# Altium PCB top_INA_v3.PcbDoc (part 5 of 5)
Units mil, origin at the board's own origin, x right, y up, seen from the top; angles counter-clockwise.
Board outline 10160 x 5830 mil, 2 copper layers (Top Layer, Bottom Layer); 635 components, 633 nets, 1722 pads, 292 vias.
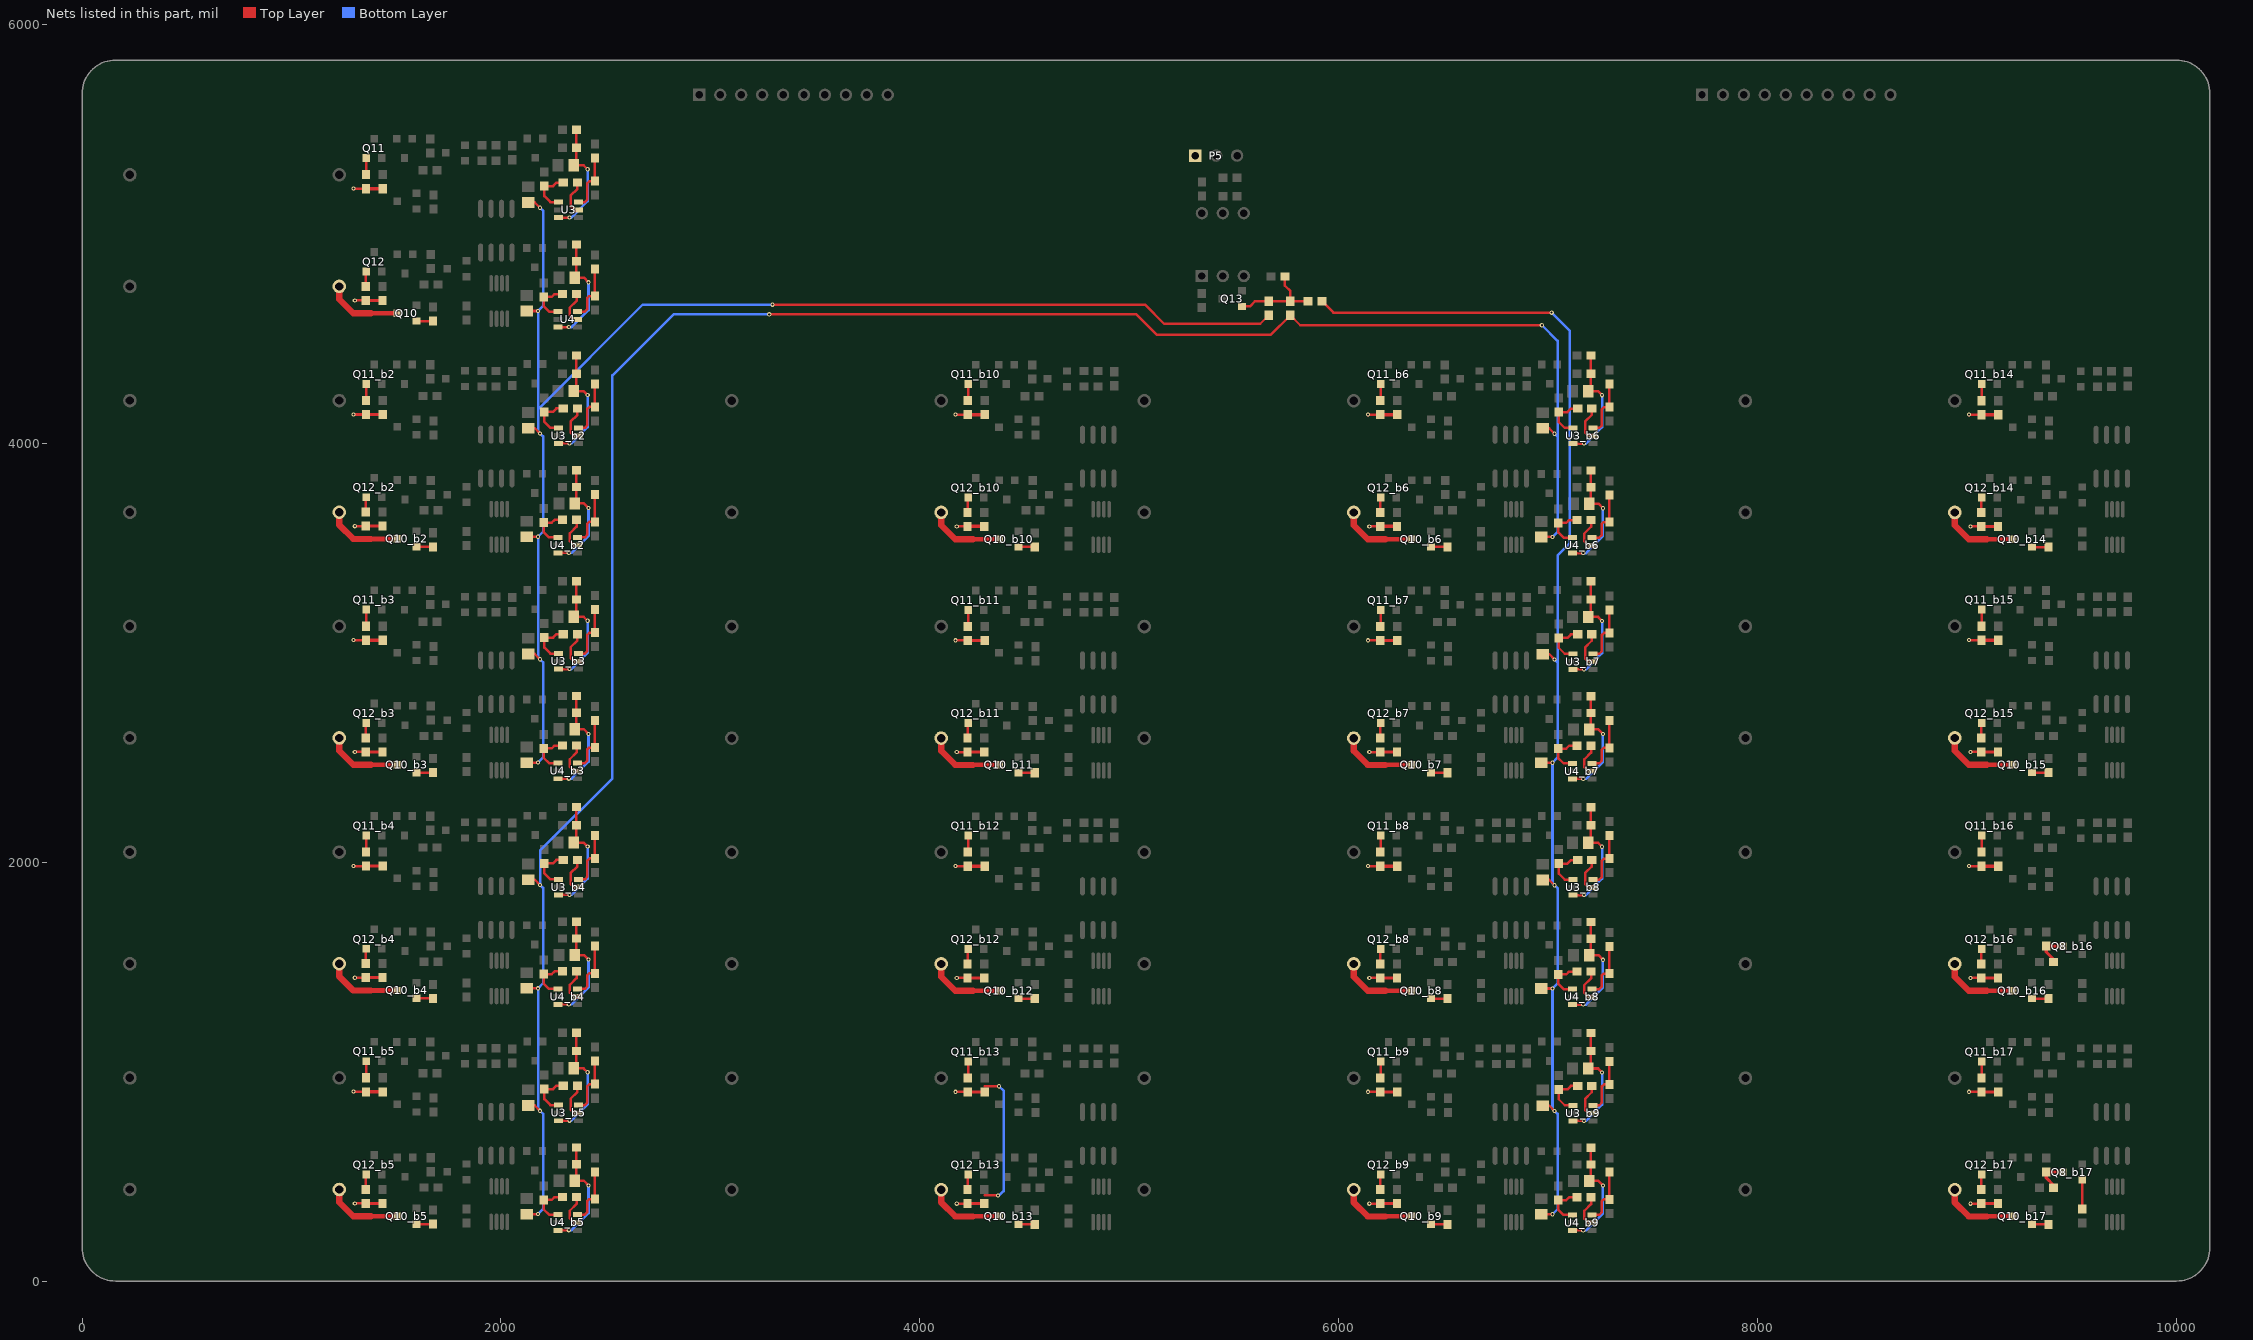
[diagram p5: the nets of this part, all layers, seen from the top]

## Via types
v1: diameter 20, hole 10, Top Layer to Bottom Layer, 235 vias
v2: diameter 40, hole 20, Top Layer to Bottom Layer, 53 vias
v3: diameter 125.98, hole 125.98, Top Layer to Bottom Layer, 4 vias

## Nets (pads, with @x,y where several pads share a name; then routed paths per layer and width w, separated by ;. In a path a pad name is that pad's centre, name@x,y a point inside that pad or via, vN(x,y) a via of type N, cw(c..) or ccw(c..) an arc to the next point about the centre after c; other vN are vias at no path point) (continued)
NetQ8_b16_3: Q8_b16.3 R19_b16.1 R37_b16.1 | length 168.3
  Top Layer w15: R37_b16.1@9413.32,1524.07 9413.32,1536.61 9378.86,1571.07 R19_b16.1@9378.86,1599.14 9379.39,1598.61 Q8_b16.3@9457.6,1598.61
NetQ8_b17_1: Q8_b17.1 R22_b17.2 | length 139.2
  Top Layer w12: R22_b17.2@9549.86,344.07 9550.12,344.33 Q8_b17.1@9550.12,483.21
NetQ8_b17_3: Q8_b17.3 R19_b17.1 R37_b17.1 | length 168.3
  Top Layer w15: R37_b17.1@9413.32,446.07 9413.32,458.61 9378.86,493.07 R19_b17.1@9378.86,521.14 9379.39,520.61 Q8_b17.3@9457.6,520.61
NetQ10_1: Q10.1 R23.1 | length 78.1
  Top Layer w12: Q10.1@1597.12,4584.21 R23.1@1675.18,4584.21
NetQ10_3: Q10.3 R14.1 | length 365.2
  Top Layer w22: 1379.86,4621.61 Q10.3@1504.6,4621.61
  Top Layer w30: R14.1@1227.99,4749.33 1227.99,4688.33 1294.72,4621.61 1379.86,4621.61
NetQ10_b2_1: Q10_b2.1 R23_b2.1 | length 78.1
  Top Layer w12: Q10_b2.1@1597.13,3506.13 R23_b2.1@1675.19,3506.13
NetQ10_b2_3: Q10_b2.3 R14_b2.1 | length 365.2
  Top Layer w22: 1379.87,3543.54 Q10_b2.3@1504.61,3543.54
  Top Layer w30: R14_b2.1@1228,3671.26 1228,3610.26 1294.72,3543.54 1379.87,3543.54
NetQ10_b3_1: Q10_b3.1 R23_b3.1 | length 78.1
  Top Layer w12: Q10_b3.1@1597.13,2428.13 R23_b3.1@1675.19,2428.13
NetQ10_b3_3: Q10_b3.3 R14_b3.1 | length 365.2
  Top Layer w22: 1379.87,2465.54 Q10_b3.3@1504.61,2465.54
  Top Layer w30: R14_b3.1@1228,2593.26 1228,2532.26 1294.72,2465.54 1379.87,2465.54
NetQ10_b4_1: Q10_b4.1 R23_b4.1 | length 78.1
  Top Layer w12: Q10_b4.1@1597.13,1350.13 R23_b4.1@1675.19,1350.13
NetQ10_b4_3: Q10_b4.3 R14_b4.1 | length 365.2
  Top Layer w22: 1379.87,1387.54 Q10_b4.3@1504.61,1387.54
  Top Layer w30: R14_b4.1@1228,1515.26 1228,1454.26 1294.72,1387.54 1379.87,1387.54
NetQ10_b5_1: Q10_b5.1 R23_b5.1 | length 78.1
  Top Layer w12: Q10_b5.1@1597.13,272.13 R23_b5.1@1675.19,272.13
NetQ10_b5_3: Q10_b5.3 R14_b5.1 | length 365.2
  Top Layer w22: 1379.87,309.54 Q10_b5.3@1504.61,309.54
  Top Layer w30: R14_b5.1@1228,437.26 1228,376.26 1294.72,309.54 1379.87,309.54
NetQ10_b6_1: Q10_b6.1 R23_b6.1 | length 78.1
  Top Layer w12: Q10_b6.1@6441.12,3505.21 R23_b6.1@6519.18,3505.21
NetQ10_b6_3: Q10_b6.3 R14_b6.1 | length 365.2
  Top Layer w22: 6223.86,3542.61 Q10_b6.3@6348.6,3542.61
  Top Layer w30: R14_b6.1@6071.99,3670.33 6071.99,3609.33 6138.72,3542.61 6223.86,3542.61
NetQ10_b7_1: Q10_b7.1 R23_b7.1 | length 78.1
  Top Layer w12: Q10_b7.1@6441.12,2427.21 R23_b7.1@6519.18,2427.21
NetQ10_b7_3: Q10_b7.3 R14_b7.1 | length 365.2
  Top Layer w22: 6223.86,2464.61 Q10_b7.3@6348.6,2464.61
  Top Layer w30: R14_b7.1@6071.99,2592.33 6071.99,2531.33 6138.72,2464.61 6223.86,2464.61
NetQ10_b8_1: Q10_b8.1 R23_b8.1 | length 78.1
  Top Layer w12: Q10_b8.1@6441.12,1349.21 R23_b8.1@6519.18,1349.21
NetQ10_b8_3: Q10_b8.3 R14_b8.1 | length 365.2
  Top Layer w22: 6223.86,1386.61 Q10_b8.3@6348.6,1386.61
  Top Layer w30: R14_b8.1@6071.99,1514.33 6071.99,1453.33 6138.72,1386.61 6223.86,1386.61
NetQ10_b9_1: Q10_b9.1 R23_b9.1 | length 78.1
  Top Layer w12: Q10_b9.1@6441.12,271.21 R23_b9.1@6519.18,271.21
NetQ10_b9_3: Q10_b9.3 R14_b9.1 | length 365.2
  Top Layer w22: 6223.86,308.61 Q10_b9.3@6348.6,308.61
  Top Layer w30: R14_b9.1@6071.99,436.33 6071.99,375.33 6138.72,308.61 6223.86,308.61
NetQ10_b10_1: Q10_b10.1 R23_b10.1 | length 78.1
  Top Layer w12: Q10_b10.1@4471.12,3505.21 R23_b10.1@4549.18,3505.21
NetQ10_b10_3: Q10_b10.3 R14_b10.1 | length 365.2
  Top Layer w22: 4253.86,3542.61 Q10_b10.3@4378.6,3542.61
  Top Layer w30: R14_b10.1@4101.99,3670.33 4101.99,3609.33 4168.72,3542.61 4253.86,3542.61
NetQ10_b11_1: Q10_b11.1 R23_b11.1 | length 78.1
  Top Layer w12: Q10_b11.1@4471.12,2427.21 R23_b11.1@4549.18,2427.21
NetQ10_b11_3: Q10_b11.3 R14_b11.1 | length 365.2
  Top Layer w22: 4253.86,2464.61 Q10_b11.3@4378.6,2464.61
  Top Layer w30: R14_b11.1@4101.99,2592.33 4101.99,2531.33 4168.72,2464.61 4253.86,2464.61
NetQ10_b12_1: Q10_b12.1 R23_b12.1 | length 78.1
  Top Layer w12: Q10_b12.1@4471.12,1349.21 R23_b12.1@4549.18,1349.21
NetQ10_b12_3: Q10_b12.3 R14_b12.1 | length 365.2
  Top Layer w22: 4253.86,1386.61 Q10_b12.3@4378.6,1386.61
  Top Layer w30: R14_b12.1@4101.99,1514.33 4101.99,1453.33 4168.72,1386.61 4253.86,1386.61
NetQ10_b13_1: Q10_b13.1 R23_b13.1 | length 78.1
  Top Layer w12: Q10_b13.1@4471.12,271.21 R23_b13.1@4549.18,271.21
NetQ10_b13_3: Q10_b13.3 R14_b13.1 | length 365.2
  Top Layer w22: 4253.86,308.61 Q10_b13.3@4378.6,308.61
  Top Layer w30: R14_b13.1@4101.99,436.33 4101.99,375.33 4168.72,308.61 4253.86,308.61
NetQ10_b14_1: Q10_b14.1 R23_b14.1 | length 78.1
  Top Layer w12: Q10_b14.1@9311.12,3504.95 R23_b14.1@9389.18,3504.95
NetQ10_b14_3: Q10_b14.3 R14_b14.1 | length 365.2
  Top Layer w22: 9093.86,3542.35 Q10_b14.3@9218.6,3542.35
  Top Layer w30: R14_b14.1@8941.99,3670.07 8941.99,3609.07 9008.72,3542.35 9093.86,3542.35
NetQ10_b15_1: Q10_b15.1 R23_b15.1 | length 78.1
  Top Layer w12: Q10_b15.1@9311.12,2428.21 R23_b15.1@9389.18,2428.21
NetQ10_b15_3: Q10_b15.3 R14_b15.1 | length 365.2
  Top Layer w22: 9093.86,2465.61 Q10_b15.3@9218.6,2465.61
  Top Layer w30: R14_b15.1@8941.99,2593.33 8941.99,2532.33 9008.72,2465.61 9093.86,2465.61
NetQ10_b16_1: Q10_b16.1 R23_b16.1 | length 78.1
  Top Layer w12: Q10_b16.1@9311.12,1349.21 R23_b16.1@9389.18,1349.21
NetQ10_b16_3: Q10_b16.3 R14_b16.1 | length 365.2
  Top Layer w22: 9093.86,1386.61 Q10_b16.3@9218.6,1386.61
  Top Layer w30: R14_b16.1@8941.99,1514.33 8941.99,1453.33 9008.72,1386.61 9093.86,1386.61
NetQ10_b17_1: Q10_b17.1 R23_b17.1 | length 78.1
  Top Layer w12: Q10_b17.1@9311.12,271.21 R23_b17.1@9389.18,271.21
NetQ10_b17_3: Q10_b17.3 R14_b17.1 | length 365.2
  Top Layer w22: 9093.86,308.61 Q10_b17.3@9218.6,308.61
  Top Layer w30: R14_b17.1@8941.99,436.33 8941.99,375.33 9008.72,308.61 9093.86,308.61
NetQ11_1: Q11.1 R39.2 | length 79.9
  Top Layer w12: R39.2@1354.99,5282.8 1356.59,5284.4 Q11.1@1356.59,5362.07
NetQ11_b2_1: Q11_b2.1 R39_b2.2 | length 79.9
  Top Layer w12: R39_b2.2@1355,4204.72 1356.6,4206.32 Q11_b2.1@1356.6,4284
NetQ11_b3_1: Q11_b3.1 R39_b3.2 | length 79.9
  Top Layer w12: R39_b3.2@1355,3126.72 1356.6,3128.32 Q11_b3.1@1356.6,3206
NetQ11_b4_1: Q11_b4.1 R39_b4.2 | length 79.9
  Top Layer w12: R39_b4.2@1355,2048.72 1356.6,2050.32 Q11_b4.1@1356.6,2128
NetQ11_b5_1: Q11_b5.1 R39_b5.2 | length 79.9
  Top Layer w12: R39_b5.2@1355,970.72 1356.6,972.32 Q11_b5.1@1356.6,1050
NetQ11_b6_1: Q11_b6.1 R39_b6.2 | length 79.9
  Top Layer w12: R39_b6.2@6198.99,4203.8 6200.59,4205.4 Q11_b6.1@6200.59,4283.07
NetQ11_b7_1: Q11_b7.1 R39_b7.2 | length 79.9
  Top Layer w12: R39_b7.2@6198.99,3125.8 6200.59,3127.4 Q11_b7.1@6200.59,3205.07
NetQ11_b8_1: Q11_b8.1 R39_b8.2 | length 79.9
  Top Layer w12: R39_b8.2@6198.99,2047.8 6200.59,2049.4 Q11_b8.1@6200.59,2127.07
NetQ11_b9_1: Q11_b9.1 R39_b9.2 | length 79.9
  Top Layer w12: R39_b9.2@6198.99,969.8 6200.59,971.4 Q11_b9.1@6200.59,1049.07
NetQ11_b10_1: Q11_b10.1 R39_b10.2 | length 79.9
  Top Layer w12: R39_b10.2@4228.99,4203.8 4230.59,4205.4 Q11_b10.1@4230.59,4283.07
NetQ11_b11_1: Q11_b11.1 R39_b11.2 | length 79.9
  Top Layer w12: R39_b11.2@4228.99,3125.8 4230.59,3127.4 Q11_b11.1@4230.59,3205.07
NetQ11_b12_1: Q11_b12.1 R39_b12.2 | length 79.9
  Top Layer w12: R39_b12.2@4228.99,2047.8 4230.59,2049.4 Q11_b12.1@4230.59,2127.07
NetQ11_b13_1: Q11_b13.1 R39_b13.2 | length 79.9
  Top Layer w12: R39_b13.2@4228.99,969.8 4230.59,971.4 Q11_b13.1@4230.59,1049.07
NetQ11_b14_1: Q11_b14.1 R39_b14.2 | length 79.9
  Top Layer w12: R39_b14.2@9068.99,4203.54 9070.59,4205.14 Q11_b14.1@9070.59,4282.81
NetQ11_b15_1: Q11_b15.1 R39_b15.2 | length 79.9
  Top Layer w12: R39_b15.2@9068.99,3126.8 9070.59,3128.4 Q11_b15.1@9070.59,3206.07
NetQ11_b16_1: Q11_b16.1 R39_b16.2 | length 79.9
  Top Layer w12: R39_b16.2@9068.99,2047.8 9070.59,2049.4 Q11_b16.1@9070.59,2127.07
NetQ11_b17_1: Q11_b17.1 R39_b17.2 | length 79.9
  Top Layer w12: R39_b17.2@9068.99,969.8 9070.59,971.4 Q11_b17.1@9070.59,1049.07
NetQ12_1: Q12.1 R41.1 | length 72.4
  Top Layer w12: R41.1@1353.99,4749.8 1353.99,4818.48 Q12.1@1356.59,4821.07
NetQ12_b2_1: Q12_b2.1 R41_b2.1 | length 72.4
  Top Layer w12: R41_b2.1@1354,3671.72 1354,3740.4 Q12_b2.1@1356.6,3743
NetQ12_b3_1: Q12_b3.1 R41_b3.1 | length 72.4
  Top Layer w12: R41_b3.1@1354,2593.72 1354,2662.4 Q12_b3.1@1356.6,2665
NetQ12_b4_1: Q12_b4.1 R41_b4.1 | length 72.4
  Top Layer w12: R41_b4.1@1354,1515.72 1354,1584.4 Q12_b4.1@1356.6,1587
NetQ12_b5_1: Q12_b5.1 R41_b5.1 | length 72.4
  Top Layer w12: R41_b5.1@1354,437.72 1354,506.4 Q12_b5.1@1356.6,509
NetQ12_b6_1: Q12_b6.1 R41_b6.1 | length 72.4
  Top Layer w12: R41_b6.1@6197.99,3670.8 6197.99,3739.48 Q12_b6.1@6200.59,3742.07
NetQ12_b7_1: Q12_b7.1 R41_b7.1 | length 72.4
  Top Layer w12: R41_b7.1@6197.99,2592.8 6197.99,2661.48 Q12_b7.1@6200.59,2664.07
NetQ12_b8_1: Q12_b8.1 R41_b8.1 | length 72.4
  Top Layer w12: R41_b8.1@6197.99,1514.8 6197.99,1583.48 Q12_b8.1@6200.59,1586.07
NetQ12_b9_1: Q12_b9.1 R41_b9.1 | length 72.4
  Top Layer w12: R41_b9.1@6197.99,436.8 6197.99,505.48 Q12_b9.1@6200.59,508.07
NetQ12_b10_1: Q12_b10.1 R41_b10.1 | length 72.4
  Top Layer w12: R41_b10.1@4227.99,3670.8 4227.99,3739.48 Q12_b10.1@4230.59,3742.07
NetQ12_b11_1: Q12_b11.1 R41_b11.1 | length 72.4
  Top Layer w12: R41_b11.1@4227.99,2592.8 4227.99,2661.48 Q12_b11.1@4230.59,2664.07
NetQ12_b12_1: Q12_b12.1 R41_b12.1 | length 72.4
  Top Layer w12: R41_b12.1@4227.99,1514.8 4227.99,1583.48 Q12_b12.1@4230.59,1586.07
NetQ12_b13_1: Q12_b13.1 R41_b13.1 | length 72.4
  Top Layer w12: R41_b13.1@4227.99,436.8 4227.99,505.48 Q12_b13.1@4230.59,508.07
NetQ12_b14_1: Q12_b14.1 R41_b14.1 | length 72.4
  Top Layer w12: R41_b14.1@9067.99,3670.54 9067.99,3739.22 Q12_b14.1@9070.59,3741.81
NetQ12_b15_1: Q12_b15.1 R41_b15.1 | length 72.4
  Top Layer w12: R41_b15.1@9067.99,2593.8 9067.99,2662.48 Q12_b15.1@9070.59,2665.07
NetQ12_b16_1: Q12_b16.1 R41_b16.1 | length 72.4
  Top Layer w12: R41_b16.1@9067.99,1514.8 9067.99,1583.48 Q12_b16.1@9070.59,1586.07
NetQ12_b17_1: Q12_b17.1 R41_b17.1 | length 72.4
  Top Layer w12: R41_b17.1@9067.99,436.8 9067.99,505.48 Q12_b17.1@9070.59,508.07
NetQ13_1: Q13.1 R28.2 R29.2 R30.2 R31.2 | length 453.2
  Top Layer w12: Q13.1@5538.25,4653.67 5575.59,4653.67 5600.46,4678.54 R29.2@5665.99,4678.54 R30.2@5768.99,4678.54 ; R28.2@5743.46,4797.07 5743.46,4752.61 5768.99,4727.07 R30.2@5768.99,4678.54 ; R31.2@5852.07,4678.54 R30.2@5768.99,4678.54
NetR51_2: R51.2 R52.1 U3.1 | length 225.5
  Top Layer w12: U3.1@2275.76,5152.4 2235.6,5152.4 2207,5181 R52.1@2207,5228.54 2248.54,5228.54 2265,5245 R51.2@2297.54,5245
NetR51_b2_2: R51_b2.2 R52_b2.1 U3_b2.1 | length 225.5
  Top Layer w12: U3_b2.1@2275.76,4074.33 2235.61,4074.33 2207.01,4102.93 R52_b2.1@2207.01,4150.46 2248.54,4150.46 2265.01,4166.93 R51_b2.2@2297.54,4166.93
NetR51_b3_2: R51_b3.2 R52_b3.1 U3_b3.1 | length 225.5
  Top Layer w12: U3_b3.1@2275.76,2996.33 2235.61,2996.33 2207.01,3024.93 R52_b3.1@2207.01,3072.46 2248.54,3072.46 2265.01,3088.93 R51_b3.2@2297.54,3088.93
NetR51_b4_2: R51_b4.2 R52_b4.1 U3_b4.1 | length 225.5
  Top Layer w12: U3_b4.1@2275.76,1918.33 2235.61,1918.33 2207.01,1946.93 R52_b4.1@2207.01,1994.46 2248.54,1994.46 2265.01,2010.93 R51_b4.2@2297.54,2010.93
NetR51_b5_2: R51_b5.2 R52_b5.1 U3_b5.1 | length 225.5
  Top Layer w12: U3_b5.1@2275.76,840.33 2235.61,840.33 2207.01,868.93 R52_b5.1@2207.01,916.46 2248.54,916.46 2265.01,932.93 R51_b5.2@2297.54,932.93
NetR51_b6_2: R51_b6.2 R52_b6.1 U3_b6.1 | length 225.5
  Top Layer w12: U3_b6.1@7119.76,4073.4 7079.6,4073.4 7051,4102 R52_b6.1@7051,4149.54 7092.54,4149.54 7109,4166 R51_b6.2@7141.54,4166
NetR51_b7_2: R51_b7.2 R52_b7.1 U3_b7.1 | length 225.5
  Top Layer w12: U3_b7.1@7119.76,2995.4 7079.6,2995.4 7051,3024 R52_b7.1@7051,3071.54 7092.54,3071.54 7109,3088 R51_b7.2@7141.54,3088
NetR51_b8_2: R51_b8.2 R52_b8.1 U3_b8.1 | length 225.5
  Top Layer w12: U3_b8.1@7119.76,1917.4 7079.6,1917.4 7051,1946 R52_b8.1@7051,1993.54 7092.54,1993.54 7109,2010 R51_b8.2@7141.54,2010
NetR51_b9_2: R51_b9.2 R52_b9.1 U3_b9.1 | length 225.5
  Top Layer w12: U3_b9.1@7119.76,839.4 7079.6,839.4 7051,868 R52_b9.1@7051,915.54 7092.54,915.54 7109,932 R51_b9.2@7141.54,932
NetR51_b10_2: 
NetR51_b11_2: 
NetR51_b12_2: 
NetR51_b13_2: 
NetR51_b14_2: 
NetR51_b15_2: 
NetR51_b16_2: 
NetR51_b17_2: 
NetR53_1: R53.1 R54.1 U4.1 | length 219
  Top Layer w12: U4.1@2271.76,4629.4 2229.6,4629.4 2204,4655 R54.1@2204,4699.54 2242.54,4699.54 2256,4713 R53.1@2294.54,4713
NetR53_b2_1: R53_b2.1 R54_b2.1 U4_b2.1 | length 219
  Top Layer w12: U4_b2.1@2271.76,3551.33 2229.61,3551.33 2204.01,3576.93 R54_b2.1@2204.01,3621.46 2242.54,3621.46 2256.01,3634.93 R53_b2.1@2294.54,3634.93
NetR53_b3_1: R53_b3.1 R54_b3.1 U4_b3.1 | length 219
  Top Layer w12: U4_b3.1@2271.76,2473.33 2229.61,2473.33 2204.01,2498.93 R54_b3.1@2204.01,2543.46 2242.54,2543.46 2256.01,2556.93 R53_b3.1@2294.54,2556.93
NetR53_b4_1: R53_b4.1 R54_b4.1 U4_b4.1 | length 219
  Top Layer w12: U4_b4.1@2271.76,1395.33 2229.61,1395.33 2204.01,1420.93 R54_b4.1@2204.01,1465.46 2242.54,1465.46 2256.01,1478.93 R53_b4.1@2294.54,1478.93
NetR53_b5_1: R53_b5.1 R54_b5.1 U4_b5.1 | length 219
  Top Layer w12: U4_b5.1@2271.76,317.33 2229.61,317.33 2204.01,342.93 R54_b5.1@2204.01,387.46 2242.54,387.46 2256.01,400.93 R53_b5.1@2294.54,400.93
NetR53_b6_1: R53_b6.1 R54_b6.1 U4_b6.1 | length 219
  Top Layer w12: U4_b6.1@7115.76,3550.4 7073.6,3550.4 7048,3576 R54_b6.1@7048,3620.54 7086.54,3620.54 7100,3634 R53_b6.1@7138.54,3634
NetR53_b7_1: R53_b7.1 R54_b7.1 U4_b7.1 | length 219
  Top Layer w12: U4_b7.1@7115.76,2472.4 7073.6,2472.4 7048,2498 R54_b7.1@7048,2542.54 7086.54,2542.54 7100,2556 R53_b7.1@7138.54,2556
NetR53_b8_1: R53_b8.1 R54_b8.1 U4_b8.1 | length 219
  Top Layer w12: U4_b8.1@7115.76,1394.4 7073.6,1394.4 7048,1420 R54_b8.1@7048,1464.54 7086.54,1464.54 7100,1478 R53_b8.1@7138.54,1478
NetR53_b9_1: R53_b9.1 R54_b9.1 U4_b9.1 | length 219
  Top Layer w12: U4_b9.1@7115.76,316.4 7073.6,316.4 7048,342 R54_b9.1@7048,386.54 7086.54,386.54 7100,400 R53_b9.1@7138.54,400
NetR53_b10_1: 
NetR53_b11_1: 
NetR53_b12_1: 
NetR53_b13_1: 
NetR53_b14_1: 
NetR53_b15_1: 
NetR53_b16_1: 
NetR53_b17_1: 
OUT2: D1.2 D1_b2.2 D1_b3.2 D2.2 D2_b2.2 D2_b3.2 R29.1 | length 6814.5
  Top Layer w12: D2_b3.2@2124.41,2475.93 v1(2177.01,2475.93) ; D2_b2.2@2124.41,3553.93 v1(2177.01,3553.93) ; D2.2@2124.4,4632 v1(2177,4632) ; D1_b3.2@2131.01,2994.52 2161.41,2994.52 v1(2187.01,2968.93) ; D1_b2.2@2131.01,4072.52 2161.41,4072.52 v1(2187.01,4046.93) ; D1.2@2131,5150.6 2161.4,5150.6 v1(2187,5125) ; v1(3295.99,4662.07) 5074.99,4662.07 5165.99,4571.07 5625.46,4571.07 R29.1@5665.99,4611.61
  Bottom Layer w12: v1(2177.01,2475.93) 2201.01,2499.93 2201.01,2954.93 v1(2187.01,2968.93) 2177.01,2978.93 v1(2177.01,3553.93) 2201.01,3577.93 2201.01,4032.93 v1(2187.01,4046.93) 2177,4056.93 2177,4164 ; v1(2187,5125) 2201,5111 2201,4656 v1(2177,4632) 2177,4164 ; v1@3294.18,4660.27 v1(3295.99,4662.07) 2677.07,4662.07 2179,4164 2177,4164
OUT5: D1_b4.2 D1_b5.2 D1_b6.2 D2_b4.2 D2_b5.2 D2_b6.2 R30.1 | length 10269.3
  Top Layer w12: D2_b5.2@2124.41,319.93 v1(2177.01,319.93) ; D2_b4.2@2124.41,1397.93 v1(2177.01,1397.93) ; D1_b5.2@2131.01,838.52 2161.41,838.52 v1(2187.01,812.93) ; D1_b4.2@2131.01,1916.52 2161.41,1916.52 v1(2187.01,1890.93) ; v1(3280.99,4616.07) 5033.99,4616.07 5130.99,4519.07 5676.46,4519.07 R30.1@5768.99,4611.61 5816.6,4564 v1(6970,4564) ; D2_b6.2@6968.4,3553 v1(7021,3553) ; D1_b6.2@6975,4071.6 7005.4,4071.6 v1(7031,4046)
  Bottom Layer w12: v1(2177.01,319.93) 2201.01,343.93 2201.01,798.93 v1(2187.01,812.93) 2177.01,822.93 v1(2177.01,1397.93) 2201.01,1421.93 2201.01,1876.93 v1(2187.01,1890.93) 2187.01,2055.01 2532,2400 2532,4324.07 2824,4616.07 v1(3280.99,4616.07) ; v1(6970,4564) 7045,4489 7045,4032 ; v1(7021,3553) 7045,3577 7045,4032 ; v1(7031,4046) 7045,4032
OUT8: D1_b7.2 D1_b8.2 D1_b9.2 D2_b7.2 D2_b8.2 D2_b9.2 R31.1 | length 5912.1
  Top Layer w12: R31.1@5919.46,4679 5974.46,4624 v1(7017,4624) ; D2_b9.2@6968.4,319 v1(7021,319) ; D2_b8.2@6968.4,1397 v1(7021,1397) ; D2_b7.2@6968.4,2475 v1(7021,2475) ; D1_b9.2@6975,837.6 7005.4,837.6 v1(7031,812) ; D1_b8.2@6975,1915.6 7005.4,1915.6 v1(7031,1890) ; D1_b7.2@6975,2993.6 7005.4,2993.6 v1(7031,2968)
  Bottom Layer w12: v1(7017,4624) 7103,4538 7103,3522 7045,3464 7045,2954 ; v1(7021,319) 7045,343 7045,798 v1(7031,812) 7021,822 v1(7021,1397) 7045,1421 7045,1876 v1(7031,1890) 7021,1900 v1(7021,2475) 7045,2499 7045,2954 ; v1(7031,2968) 7045,2954
OUT9: 
OUT10: 
OUT11: 
OUT12: 
OUT13: 
OUT14:  | length 675.9
  Top Layer w12: 4309.86,409.21 v1(4373.46,409.21) ; 4309.86,930.21 v1(4378.46,930.21)
  Bottom Layer w12: v1(4373.46,409.21) 4378.74,409.21 4399.61,430.07 4399.61,909.06 v1(4378.46,930.21)
OUT15: 
OUT16: 
OUT_G16: P5.1 R39.1 R39_b2.1 R39_b3.1 R39_b4.1 R39_b5.1 R39_b6.1 R39_b7.1 R39_b8.1 R39_b9.1 R39_b10.1 R39_b11.1 R39_b12.1 R39_b13.1 R39_b14.1 R39_b15.1 R39_b16.1 R39_b17.1 R40.2 R40_b2.2 R40_b3.2 R40_b4.2 R40_b5.2 R40_b6.2 R40_b7.2 R40_b8.2 R40_b9.2 R40_b10.2 R40_b11.2 R40_b12.2 R40_b13.2 R40_b14.2 R40_b15.2 R40_b16.2 R40_b17.2 R41.2 R41_b2.2 R41_b3.2 R41_b4.2 R41_b5.2 R41_b6.2 R41_b7.2 R41_b8.2 R41_b9.2 R41_b10.2 R41_b11.2 R41_b12.2 R41_b13.2 R41_b14.2 R41_b15.2 R41_b16.2 R41_b17.2 R42.2 R42_b2.2 R42_b3.2 R42_b4.2 R42_b5.2 R42_b6.2 R42_b7.2 R42_b8.2 R42_b9.2 R42_b10.2 R42_b11.2 R42_b12.2 R42_b13.2 R42_b14.2 R42_b15.2 R42_b16.2 R42_b17.2 | length 4622.5
  Top Layer w12: v1@1296.99,903.8 R39_b5.1@1355,903.8 ; v1@1296.99,1981.8 R39_b4.1@1355,1981.8 ; v1@1296.99,3059.8 R39_b3.1@1355,3059.8 ; v1@1296.99,4137.8 R39_b2.1@1355,4137.8 ; v1@1296.98,5215.87 R39.1@1354.99,5215.87 ; v1(1302.25,370.54) R41_b5.2@1353.74,370.54 ; v1(1302.25,1448.54) R41_b4.2@1353.74,1448.54 ; v1(1302.25,2526.54) R41_b3.2@1353.74,2526.54 ; v1(1302.25,3604.54) R41_b2.2@1353.74,3604.54 ; v1(1302.24,4682.61) R41.2@1353.73,4682.61 ; v1@4170.98,902.87 R39_b13.1@4228.99,902.87 ; v1@4170.98,1980.87 R39_b12.1@4228.99,1980.87 ; v1@4170.98,3058.87 R39_b11.1@4228.99,3058.87 ; v1@4170.98,4136.87 R39_b10.1@4228.99,4136.87 ; v1(4176.24,369.61) R41_b13.2@4227.73,369.61 ; v1(4176.24,1447.61) R41_b12.2@4227.73,1447.61 ; v1(4176.24,2525.61) R41_b11.2@4227.73,2525.61 ; v1(4176.24,3603.61) R41_b10.2@4227.73,3603.61 ; v1@6140.98,902.87 R39_b9.1@6198.99,902.87 ; v1@6140.98,1980.87 R39_b8.1@6198.99,1980.87 ; v1@6140.98,3058.87 R39_b7.1@6198.99,3058.87 ; v1@6140.98,4136.87 R39_b6.1@6198.99,4136.87 ; v1(6146.24,369.61) R41_b9.2@6197.73,369.61 ; v1(6146.24,1447.61) R41_b8.2@6197.73,1447.61 ; v1(6146.24,2525.61) R41_b7.2@6197.73,2525.61 ; v1(6146.24,3603.61) R41_b6.2@6197.73,3603.61 ; v1@9010.98,902.87 R39_b17.1@9068.99,902.87 ; v1@9010.98,1980.87 R39_b16.1@9068.99,1980.87 ; v1@9010.98,3059.87 R39_b15.1@9068.99,3059.87 ; v1@9010.98,4136.61 R39_b14.1@9068.99,4136.61 ; v1(9016.24,369.61) R41_b17.2@9067.73,369.61 ; v1(9016.24,1447.61) R41_b16.2@9067.73,1447.61 ; v1(9016.24,2526.61) R41_b15.2@9067.73,2526.61 ; v1(9016.24,3603.35) R41_b14.2@9067.73,3603.35
  Top Layer w15: v1(1296.25,904.54) v1@1296.99,903.8 ; v1(1296.25,1982.54) v1@1296.99,1981.8 ; v1(1296.25,3060.54) v1@1296.99,3059.8 ; v1(1296.25,4138.54) v1@1296.99,4137.8 ; v1(1296.24,5216.61) v1@1296.98,5215.87 ; R41_b5.2@1353.74,370.54 R41_b5.2@1354,370.8 R42_b5.2@1434,370.8 ; R41_b4.2@1353.74,1448.54 R41_b4.2@1354,1448.8 R42_b4.2@1434,1448.8 ; R41_b3.2@1353.74,2526.54 R41_b3.2@1354,2526.8 R42_b3.2@1434,2526.8 ; R41_b2.2@1353.74,3604.54 R41_b2.2@1354,3604.8 R42_b2.2@1434,3604.8 ; R41.2@1353.73,4682.61 R41.2@1353.99,4682.87 R42.2@1433.99,4682.87 ; R39_b5.1@1355,903.8 R40_b5.2@1436,903.8 ; R39_b4.1@1355,1981.8 R40_b4.2@1436,1981.8 ; R39_b3.1@1355,3059.8 R40_b3.2@1436,3059.8 ; R39_b2.1@1355,4137.8 R40_b2.2@1436,4137.8 ; R39.1@1354.99,5215.87 R40.2@1435.99,5215.87 ; v1(4170.24,903.61) v1@4170.98,902.87 ; v1(4170.24,1981.61) v1@4170.98,1980.87 ; v1(4170.24,3059.61) v1@4170.98,3058.87 ; v1(4170.24,4137.61) v1@4170.98,4136.87 ; R41_b13.2@4227.73,369.61 R41_b13.2@4227.99,369.87 R42_b13.2@4307.99,369.87 ; R41_b12.2@4227.73,1447.61 R41_b12.2@4227.99,1447.87 R42_b12.2@4307.99,1447.87 ; R41_b11.2@4227.73,2525.61 R41_b11.2@4227.99,2525.87 R42_b11.2@4307.99,2525.87 ; R41_b10.2@4227.73,3603.61 R41_b10.2@4227.99,3603.87 R42_b10.2@4307.99,3603.87 ; R39_b13.1@4228.99,902.87 R40_b13.2@4309.99,902.87 ; R39_b12.1@4228.99,1980.87 R40_b12.2@4309.99,1980.87 ; R39_b11.1@4228.99,3058.87 R40_b11.2@4309.99,3058.87 ; R39_b10.1@4228.99,4136.87 R40_b10.2@4309.99,4136.87 ; v1(6140.24,903.61) v1@6140.98,902.87 ; v1(6140.24,1981.61) v1@6140.98,1980.87 ; v1(6140.24,3059.61) v1@6140.98,3058.87 ; v1(6140.24,4137.61) v1@6140.98,4136.87 ; R41_b9.2@6197.73,369.61 R41_b9.2@6197.99,369.87 R42_b9.2@6277.99,369.87 ; R41_b8.2@6197.73,1447.61 R41_b8.2@6197.99,1447.87 R42_b8.2@6277.99,1447.87 ; R41_b7.2@6197.73,2525.61 R41_b7.2@6197.99,2525.87 R42_b7.2@6277.99,2525.87 ; R41_b6.2@6197.73,3603.61 R41_b6.2@6197.99,3603.87 R42_b6.2@6277.99,3603.87 ; R39_b9.1@6198.99,902.87 R40_b9.2@6279.99,902.87 ; R39_b8.1@6198.99,1980.87 R40_b8.2@6279.99,1980.87 ; R39_b7.1@6198.99,3058.87 R40_b7.2@6279.99,3058.87 ; R39_b6.1@6198.99,4136.87 R40_b6.2@6279.99,4136.87 ; v1(9010.24,903.61) v1@9010.98,902.87 ; v1(9010.24,1981.61) v1@9010.98,1980.87 ; v1(9010.24,3060.61) v1@9010.98,3059.87 ; v1(9010.24,4137.35) v1@9010.98,4136.61 ; R41_b17.2@9067.73,369.61 R41_b17.2@9067.99,369.87 R42_b17.2@9147.99,369.87 ; R41_b16.2@9067.73,1447.61 R41_b16.2@9067.99,1447.87 R42_b16.2@9147.99,1447.87 ; R41_b15.2@9067.73,2526.61 R41_b15.2@9067.99,2526.87 R42_b15.2@9147.99,2526.87 ; R41_b14.2@9067.73,3603.35 R41_b14.2@9067.99,3603.61 R42_b14.2@9147.99,3603.61 ; R39_b17.1@9068.99,902.87 R40_b17.2@9149.99,902.87 ; R39_b16.1@9068.99,1980.87 R40_b16.2@9149.99,1980.87 ; R39_b15.1@9068.99,3059.87 R40_b15.2@9149.99,3059.87 ; R39_b14.1@9068.99,4136.61 R40_b14.2@9149.99,4136.61
REF1: R51.1 U3.5 | length 171.7
  Top Layer w12: R51.1@2364.46,5245 2364.46,5214.46 2332.59,5182.59 2332.59,5130.59 2348.18,5115 U3.5@2370.24,5115
REF1_b2: R51_b2.1 U3_b2.5 | length 171.7
  Top Layer w12: R51_b2.1@2364.47,4166.93 2364.47,4136.39 2332.6,4104.52 2332.6,4052.52 2348.19,4036.93 U3_b2.5@2370.25,4036.93
REF1_b3: R51_b3.1 U3_b3.5 | length 171.7
  Top Layer w12: R51_b3.1@2364.47,3088.93 2364.47,3058.39 2332.6,3026.52 2332.6,2974.52 2348.19,2958.93 U3_b3.5@2370.25,2958.93
REF1_b4: R51_b4.1 U3_b4.5 | length 171.7
  Top Layer w12: R51_b4.1@2364.47,2010.93 2364.47,1980.39 2332.6,1948.52 2332.6,1896.52 2348.19,1880.93 U3_b4.5@2370.25,1880.93
REF1_b5: R51_b5.1 U3_b5.5 | length 171.7
  Top Layer w12: R51_b5.1@2364.47,932.93 2364.47,902.39 2332.6,870.52 2332.6,818.52 2348.19,802.93 U3_b5.5@2370.25,802.93
REF1_b6: R51_b6.1 U3_b6.5 | length 171.7
  Top Layer w12: R51_b6.1@7208.46,4166 7208.46,4135.46 7176.59,4103.59 7176.59,4051.59 7192.18,4036 U3_b6.5@7214.24,4036
REF1_b7: R51_b7.1 U3_b7.5 | length 171.7
  Top Layer w12: R51_b7.1@7208.46,3088 7208.46,3057.46 7176.59,3025.59 7176.59,2973.59 7192.18,2958 U3_b7.5@7214.24,2958
REF1_b8: R51_b8.1 U3_b8.5 | length 171.7
  Top Layer w12: R51_b8.1@7208.46,2010 7208.46,1979.46 7176.59,1947.59 7176.59,1895.59 7192.18,1880 U3_b8.5@7214.24,1880
REF1_b9: R51_b9.1 U3_b9.5 | length 171.7
  Top Layer w12: R51_b9.1@7208.46,932 7208.46,901.46 7176.59,869.59 7176.59,817.59 7192.18,802 U3_b9.5@7214.24,802
REF1_b10: 
REF1_b11: 
REF1_b12: 
REF1_b13: 
REF1_b14: 
REF1_b15: 
REF1_b16: 
REF1_b17: 
REF2: R53.2 U4.5 | length 161.2
  Top Layer w12: R53.2@2361.46,4713 2361.46,4680.71 2328.59,4647.84 2328.59,4610.96 2347.55,4592 U4.5@2366.24,4592
REF2_b2: R53_b2.2 U4_b2.5 | length 161.2
  Top Layer w12: R53_b2.2@2361.47,3634.93 2361.47,3602.64 2328.6,3569.77 2328.6,3532.89 2347.56,3513.93 U4_b2.5@2366.25,3513.93
REF2_b3: R53_b3.2 U4_b3.5 | length 161.2
  Top Layer w12: R53_b3.2@2361.47,2556.93 2361.47,2524.64 2328.6,2491.77 2328.6,2454.89 2347.56,2435.93 U4_b3.5@2366.25,2435.93
REF2_b4: R53_b4.2 U4_b4.5 | length 161.2
  Top Layer w12: R53_b4.2@2361.47,1478.93 2361.47,1446.64 2328.6,1413.77 2328.6,1376.89 2347.56,1357.93 U4_b4.5@2366.25,1357.93
REF2_b5: R53_b5.2 U4_b5.5 | length 161.2
  Top Layer w12: R53_b5.2@2361.47,400.93 2361.47,368.64 2328.6,335.77 2328.6,298.89 2347.56,279.93 U4_b5.5@2366.25,279.93
REF2_b6: R53_b6.2 U4_b6.5 | length 161.2
  Top Layer w12: R53_b6.2@7205.46,3634 7205.46,3601.71 7172.59,3568.84 7172.59,3531.96 7191.55,3513 U4_b6.5@7210.24,3513
REF2_b7: R53_b7.2 U4_b7.5 | length 161.2
  Top Layer w12: R53_b7.2@7205.46,2556 7205.46,2523.71 7172.59,2490.84 7172.59,2453.96 7191.55,2435 U4_b7.5@7210.24,2435
REF2_b8: R53_b8.2 U4_b8.5 | length 161.2
  Top Layer w12: R53_b8.2@7205.46,1478 7205.46,1445.71 7172.59,1412.84 7172.59,1375.96 7191.55,1357 U4_b8.5@7210.24,1357
REF2_b9: R53_b9.2 U4_b9.5 | length 161.2
  Top Layer w12: R53_b9.2@7205.46,400 7205.46,367.71 7172.59,334.84 7172.59,297.96 7191.55,279 U4_b9.5@7210.24,279
REF2_b10: 
REF2_b11: 
REF2_b12: 
REF2_b13: 
REF2_b14: 
REF2_b15: 
REF2_b16: 
REF2_b17: 
VIN1: R8.1 R13.2 U3.6 | length 275.1
  Top Layer w12: U3.6@2370.24,5152.4 2400.4,5152.4 2413.17,5165.17 2413.17,5242.17 2423.07,5252.07 R13.2@2448.86,5252.07 R8.1@2448.86,5362.14
VIN1_b2: R8_b2.1 R13_b2.2 U3_b2.6 | length 275.1
  Top Layer w12: U3_b2.6@2370.25,4074.33 2400.41,4074.33 2413.18,4087.1 2413.18,4164.1 2423.08,4174 R13_b2.2@2448.87,4174 R8_b2.1@2448.87,4284.07
VIN1_b3: R8_b3.1 R13_b3.2 U3_b3.6 | length 275.1
  Top Layer w12: U3_b3.6@2370.25,2996.33 2400.41,2996.33 2413.18,3009.1 2413.18,3086.1 2423.08,3096 R13_b3.2@2448.87,3096 R8_b3.1@2448.87,3206.07
VIN1_b4: R8_b4.1 R13_b4.2 U3_b4.6 | length 275.1
  Top Layer w12: U3_b4.6@2370.25,1918.33 2400.41,1918.33 2413.18,1931.1 2413.18,2008.1 2423.08,2018 R13_b4.2@2448.87,2018 R8_b4.1@2448.87,2128.07
VIN1_b5: R8_b5.1 R13_b5.2 U3_b5.6 | length 275.1
  Top Layer w12: U3_b5.6@2370.25,840.33 2400.41,840.33 2413.18,853.1 2413.18,930.1 2423.08,940 R13_b5.2@2448.87,940 R8_b5.1@2448.87,1050.07
VIN1_b6: R8_b6.1 R13_b6.2 U3_b6.6 | length 275.1
  Top Layer w12: U3_b6.6@7214.24,4073.4 7244.4,4073.4 7257.17,4086.17 7257.17,4163.17 7267.07,4173.07 R13_b6.2@7292.86,4173.07 R8_b6.1@7292.86,4283.14
VIN1_b7: R8_b7.1 R13_b7.2 U3_b7.6 | length 275.1
  Top Layer w12: U3_b7.6@7214.24,2995.4 7244.4,2995.4 7257.17,3008.17 7257.17,3085.17 7267.07,3095.07 R13_b7.2@7292.86,3095.07 R8_b7.1@7292.86,3205.14
VIN1_b8: R8_b8.1 R13_b8.2 U3_b8.6 | length 275.1
  Top Layer w12: U3_b8.6@7214.24,1917.4 7244.4,1917.4 7257.17,1930.17 7257.17,2007.17 7267.07,2017.07 R13_b8.2@7292.86,2017.07 R8_b8.1@7292.86,2127.14
VIN1_b9: R8_b9.1 R13_b9.2 U3_b9.6 | length 275.1
  Top Layer w12: U3_b9.6@7214.24,839.4 7244.4,839.4 7257.17,852.17 7257.17,929.17 7267.07,939.07 R13_b9.2@7292.86,939.07 R8_b9.1@7292.86,1049.14
VIN1_b10: 
VIN1_b11: 
VIN1_b12: 
VIN1_b13: 
VIN1_b14: 
VIN1_b15: 
VIN1_b16: 
VIN1_b17: 
VIN2: R21.1 R24.2 U4.6 | length 274.2
  Top Layer w12: U4.6@2366.24,4629.4 2400.4,4629.4 2413,4642 2413,4695 2421.07,4703.07 R24.2@2448.86,4703.07 R21.1@2448.86,4833.14
VIN2_b2: R21_b2.1 R24_b2.2 U4_b2.6 | length 274.2
  Top Layer w12: U4_b2.6@2366.25,3551.33 2400.41,3551.33 2413.01,3563.93 2413.01,3616.93 2421.08,3625 R24_b2.2@2448.87,3625 R21_b2.1@2448.87,3755.07
VIN2_b3: R21_b3.1 R24_b3.2 U4_b3.6 | length 274.2
  Top Layer w12: U4_b3.6@2366.25,2473.33 2400.41,2473.33 2413.01,2485.93 2413.01,2538.93 2421.08,2547 R24_b3.2@2448.87,2547 R21_b3.1@2448.87,2677.07
VIN2_b4: R21_b4.1 R24_b4.2 U4_b4.6 | length 274.2
  Top Layer w12: U4_b4.6@2366.25,1395.33 2400.41,1395.33 2413.01,1407.93 2413.01,1460.93 2421.08,1469 R24_b4.2@2448.87,1469 R21_b4.1@2448.87,1599.07
VIN2_b5: R21_b5.1 R24_b5.2 U4_b5.6 | length 274.2
  Top Layer w12: U4_b5.6@2366.25,317.33 2400.41,317.33 2413.01,329.93 2413.01,382.93 2421.08,391 R24_b5.2@2448.87,391 R21_b5.1@2448.87,521.07
VIN2_b6: R21_b6.1 R24_b6.2 U4_b6.6 | length 274.2
  Top Layer w12: U4_b6.6@7210.24,3550.4 7244.4,3550.4 7257,3563 7257,3616 7265.07,3624.07 R24_b6.2@7292.86,3624.07 R21_b6.1@7292.86,3754.14
VIN2_b7: R21_b7.1 R24_b7.2 U4_b7.6 | length 274.2
  Top Layer w12: U4_b7.6@7210.24,2472.4 7244.4,2472.4 7257,2485 7257,2538 7265.07,2546.07 R24_b7.2@7292.86,2546.07 R21_b7.1@7292.86,2676.14
VIN2_b8: R21_b8.1 R24_b8.2 U4_b8.6 | length 274.2
  Top Layer w12: U4_b8.6@7210.24,1394.4 7244.4,1394.4 7257,1407 7257,1460 7265.07,1468.07 R24_b8.2@7292.86,1468.07 R21_b8.1@7292.86,1598.14
VIN2_b9: R21_b9.1 R24_b9.2 U4_b9.6 | length 274.2
  Top Layer w12: U4_b9.6@7210.24,316.4 7244.4,316.4 7257,329 7257,382 7265.07,390.07 R24_b9.2@7292.86,390.07 R21_b9.1@7292.86,520.14
VIN2_b10: 
VIN2_b11: 
VIN2_b12: 
VIN2_b13: 
VIN2_b14: 
VIN2_b15: 
VIN2_b16: 
VIN2_b17: 
VOUT1: D3.2 R7.1 R32.1 U3.3 | length 573.6
  Top Layer w12: U3.3@2275.76,5077.6 2276.16,5078 v1(2328,5078) ; R7.1@2360.46,5498 R32.1@2360.46,5411 2360.46,5341.06 D3.2@2347.4,5328 2395,5328 v1(2414,5309)
  Bottom Layer w12: v1(2328,5078) 2336,5078 2414,5156 v1(2414,5309)
VOUT1_b2: D3_b2.2 R7_b2.1 R32_b2.1 U3_b2.3 | length 573.6
  Top Layer w12: U3_b2.3@2275.76,3999.52 2276.17,3999.93 v1(2328.01,3999.93) ; R7_b2.1@2360.47,4419.93 R32_b2.1@2360.47,4332.93 2360.47,4262.99 D3_b2.2@2347.41,4249.93 2395.01,4249.93 v1(2414.01,4230.93)
  Bottom Layer w12: v1(2328.01,3999.93) 2336.01,3999.93 2414.01,4077.93 v1(2414.01,4230.93)
VOUT1_b3: D3_b3.2 R7_b3.1 R32_b3.1 U3_b3.3 | length 573.6
  Top Layer w12: U3_b3.3@2275.76,2921.52 2276.17,2921.93 v1(2328.01,2921.93) ; R7_b3.1@2360.47,3341.93 R32_b3.1@2360.47,3254.93 2360.47,3184.99 D3_b3.2@2347.41,3171.93 2395.01,3171.93 v1(2414.01,3152.93)
  Bottom Layer w12: v1(2328.01,2921.93) 2336.01,2921.93 2414.01,2999.93 v1(2414.01,3152.93)
VOUT1_b4: D3_b4.2 R7_b4.1 R32_b4.1 U3_b4.3 | length 573.6
  Top Layer w12: U3_b4.3@2275.76,1843.52 2276.17,1843.93 v1(2328.01,1843.93) ; R7_b4.1@2360.47,2263.93 R32_b4.1@2360.47,2176.93 2360.47,2106.99 D3_b4.2@2347.41,2093.93 2395.01,2093.93 v1(2414.01,2074.93)
  Bottom Layer w12: v1(2328.01,1843.93) 2336.01,1843.93 2414.01,1921.93 v1(2414.01,2074.93)
VOUT1_b5: D3_b5.2 R7_b5.1 R32_b5.1 U3_b5.3 | length 573.6
  Top Layer w12: U3_b5.3@2275.76,765.52 2276.17,765.93 v1(2328.01,765.93) ; R7_b5.1@2360.47,1185.93 R32_b5.1@2360.47,1098.93 2360.47,1028.99 D3_b5.2@2347.41,1015.93 2395.01,1015.93 v1(2414.01,996.93)
  Bottom Layer w12: v1(2328.01,765.93) 2336.01,765.93 2414.01,843.93 v1(2414.01,996.93)
VOUT1_b6: D3_b6.2 R7_b6.1 R32_b6.1 U3_b6.3 | length 573.6
  Top Layer w12: U3_b6.3@7119.76,3998.6 7120.16,3999 v1(7172,3999) ; R7_b6.1@7204.46,4419 R32_b6.1@7204.46,4332 7204.46,4262.06 D3_b6.2@7191.4,4249 7239,4249 v1(7258,4230)
  Bottom Layer w12: v1(7172,3999) 7180,3999 7258,4077 v1(7258,4230)
VOUT1_b7: D3_b7.2 R7_b7.1 R32_b7.1 U3_b7.3 | length 573.6
  Top Layer w12: U3_b7.3@7119.76,2920.6 7120.16,2921 v1(7172,2921) ; R7_b7.1@7204.46,3341 R32_b7.1@7204.46,3254 7204.46,3184.06 D3_b7.2@7191.4,3171 7239,3171 v1(7258,3152)
  Bottom Layer w12: v1(7172,2921) 7180,2921 7258,2999 v1(7258,3152)
VOUT1_b8: D3_b8.2 R7_b8.1 R32_b8.1 U3_b8.3 | length 573.6
  Top Layer w12: U3_b8.3@7119.76,1842.6 7120.16,1843 v1(7172,1843) ; R7_b8.1@7204.46,2263 R32_b8.1@7204.46,2176 7204.46,2106.06 D3_b8.2@7191.4,2093 7239,2093 v1(7258,2074)
  Bottom Layer w12: v1(7172,1843) 7180,1843 7258,1921 v1(7258,2074)
VOUT1_b9: D3_b9.2 R7_b9.1 R32_b9.1 U3_b9.3 | length 573.6
  Top Layer w12: U3_b9.3@7119.76,764.6 7120.16,765 v1(7172,765) ; R7_b9.1@7204.46,1185 R32_b9.1@7204.46,1098 7204.46,1028.06 D3_b9.2@7191.4,1015 7239,1015 v1(7258,996)
  Bottom Layer w12: v1(7172,765) 7180,765 7258,843 v1(7258,996)
VOUT1_b10: 
VOUT1_b11: 
VOUT1_b12: 
VOUT1_b13: 
VOUT1_b14: 
VOUT1_b15: 
VOUT1_b16: 
VOUT1_b17: 
VOUT2: D4.2 R20.1 R33.1 U4.3 | length 550
  Top Layer w12: U4.3@2271.76,4554.6 2272.16,4555 v1(2324,4555) ; R20.1@2360.46,4950 R33.1@2360.46,4870 2360.46,4799.06 D4.2@2352.4,4791 2396,4791 v1(2418,4769)
  Bottom Layer w12: v1(2324,4555) 2337,4555 2418,4636 v1(2418,4769)
VOUT2_b2: D4_b2.2 R20_b2.1 R33_b2.1 U4_b2.3 | length 550
  Top Layer w12: U4_b2.3@2271.76,3476.52 2272.17,3476.93 v1(2324.01,3476.93) ; R20_b2.1@2360.47,3871.93 R33_b2.1@2360.47,3791.93 2360.47,3720.99 D4_b2.2@2352.41,3712.93 2396.01,3712.93 v1(2418.01,3690.93)
  Bottom Layer w12: v1(2324.01,3476.93) 2337.01,3476.93 2418.01,3557.93 v1(2418.01,3690.93)
VOUT2_b3: D4_b3.2 R20_b3.1 R33_b3.1 U4_b3.3 | length 550
  Top Layer w12: U4_b3.3@2271.76,2398.52 2272.17,2398.93 v1(2324.01,2398.93) ; R20_b3.1@2360.47,2793.93 R33_b3.1@2360.47,2713.93 2360.47,2642.99 D4_b3.2@2352.41,2634.93 2396.01,2634.93 v1(2418.01,2612.93)
  Bottom Layer w12: v1(2324.01,2398.93) 2337.01,2398.93 2418.01,2479.93 v1(2418.01,2612.93)
VOUT2_b4: D4_b4.2 R20_b4.1 R33_b4.1 U4_b4.3 | length 550
  Top Layer w12: U4_b4.3@2271.76,1320.52 2272.17,1320.93 v1(2324.01,1320.93) ; R20_b4.1@2360.47,1715.93 R33_b4.1@2360.47,1635.93 2360.47,1564.99 D4_b4.2@2352.41,1556.93 2396.01,1556.93 v1(2418.01,1534.93)
  Bottom Layer w12: v1(2324.01,1320.93) 2337.01,1320.93 2418.01,1401.93 v1(2418.01,1534.93)
VOUT2_b5: D4_b5.2 R20_b5.1 R33_b5.1 U4_b5.3 | length 550
  Top Layer w12: U4_b5.3@2271.76,242.52 2272.17,242.93 v1(2324.01,242.93) ; R20_b5.1@2360.47,637.93 R33_b5.1@2360.47,557.93 2360.47,486.99 D4_b5.2@2352.41,478.93 2396.01,478.93 v1(2418.01,456.93)
  Bottom Layer w12: v1(2324.01,242.93) 2337.01,242.93 2418.01,323.93 v1(2418.01,456.93)
VOUT2_b6: D4_b6.2 R20_b6.1 R33_b6.1 U4_b6.3 | length 550
  Top Layer w12: U4_b6.3@7115.76,3475.6 7116.16,3476 v1(7168,3476) ; R20_b6.1@7204.46,3871 R33_b6.1@7204.46,3791 7204.46,3720.06 D4_b6.2@7196.4,3712 7240,3712 v1(7262,3690)
  Bottom Layer w12: v1(7168,3476) 7181,3476 7262,3557 v1(7262,3690)
VOUT2_b7: D4_b7.2 R20_b7.1 R33_b7.1 U4_b7.3 | length 550
  Top Layer w12: U4_b7.3@7115.76,2397.6 7116.16,2398 v1(7168,2398) ; R20_b7.1@7204.46,2793 R33_b7.1@7204.46,2713 7204.46,2642.06 D4_b7.2@7196.4,2634 7240,2634 v1(7262,2612)
  Bottom Layer w12: v1(7168,2398) 7181,2398 7262,2479 v1(7262,2612)
VOUT2_b8: D4_b8.2 R20_b8.1 R33_b8.1 U4_b8.3 | length 550
  Top Layer w12: U4_b8.3@7115.76,1319.6 7116.16,1320 v1(7168,1320) ; R20_b8.1@7204.46,1715 R33_b8.1@7204.46,1635 7204.46,1564.06 D4_b8.2@7196.4,1556 7240,1556 v1(7262,1534)
  Bottom Layer w12: v1(7168,1320) 7181,1320 7262,1401 v1(7262,1534)
VOUT2_b9: D4_b9.2 R20_b9.1 R33_b9.1 U4_b9.3 | length 550
  Top Layer w12: U4_b9.3@7115.76,241.6 7116.16,242 v1(7168,242) ; R20_b9.1@7204.46,637 R33_b9.1@7204.46,557 7204.46,486.06 D4_b9.2@7196.4,478 7240,478 v1(7262,456)
  Bottom Layer w12: v1(7168,242) 7181,242 7262,323 v1(7262,456)
VOUT2_b10: 
VOUT2_b11: 
VOUT2_b12: 
VOUT2_b13: 
VOUT2_b14: 
VOUT2_b15: 
VOUT2_b16: 
VOUT2_b17: 
pads on no net: J1.3
copper on no net: | length 1523.2
  Top Layer w12: 1952.87,3833.05 1952.87,3885.54 1960.87,3893.54 1997.87,3893.54 2002.87,3888.54 2002.87,3833.05 2002.87,3777.54 2030.25,3750.15 2030.25,3686.18 2030.25,3632.92 1979.07,3581.74 1979.07,3516.89 ; v1(1978.87,3761.54) 2004.66,3735.74 2004.66,3686.18 ; v1(1987.87,3454.54) 2004.66,3471.33 2004.66,3516.89 2005.39,3517.62 ; 2002.87,4042.02 v1(2002.87,4103.54) 2020.87,4121.54 2035.87,4121.54 2052.87,4104.54 2052.87,4042.02
  Bottom Layer w12: v1(1987.87,3454.54) 1978.87,3463.54 v1(1978.87,3761.54) 1978.87,4085.54 1996.87,4103.54 v1(2002.87,4103.54)
  other v3: 160,160 10000,160 160,5670 10000,5670

## Polygon pours and split planes (outlines as drawn)
OUT_G16 on Top Layer "OUT_G16_L01_P001" (solid, remove dead copper, pour order 1): 160,0 cw(c160,160) 0,160 0,5670 cw(c160,5670) 160,5830 10000,5830 cw(c10000,5670) 10160,5670 10160,160 cw(c10000,160) 10000,0
OUT_G16 on Bottom Layer "OUT_G16_L02_P000" (solid, remove dead copper, pour order 0): 160,0 cw(c160,160) 0,160 0,5670 cw(c160,5670) 160,5830 10000,5830 cw(c10000,5670) 10160,5670 10160,160 cw(c10000,160) 10000,0

## Keep-outs
Keep-Out Layer:
  the board outline again, w10

## Dimensions
-246,5837.95 to -271,-6.05 on Keep-Out Layer
5,-276 to 10185,-322 on Keep-Out Layer